# KiCad board ISA_CGA.kicad_pcb
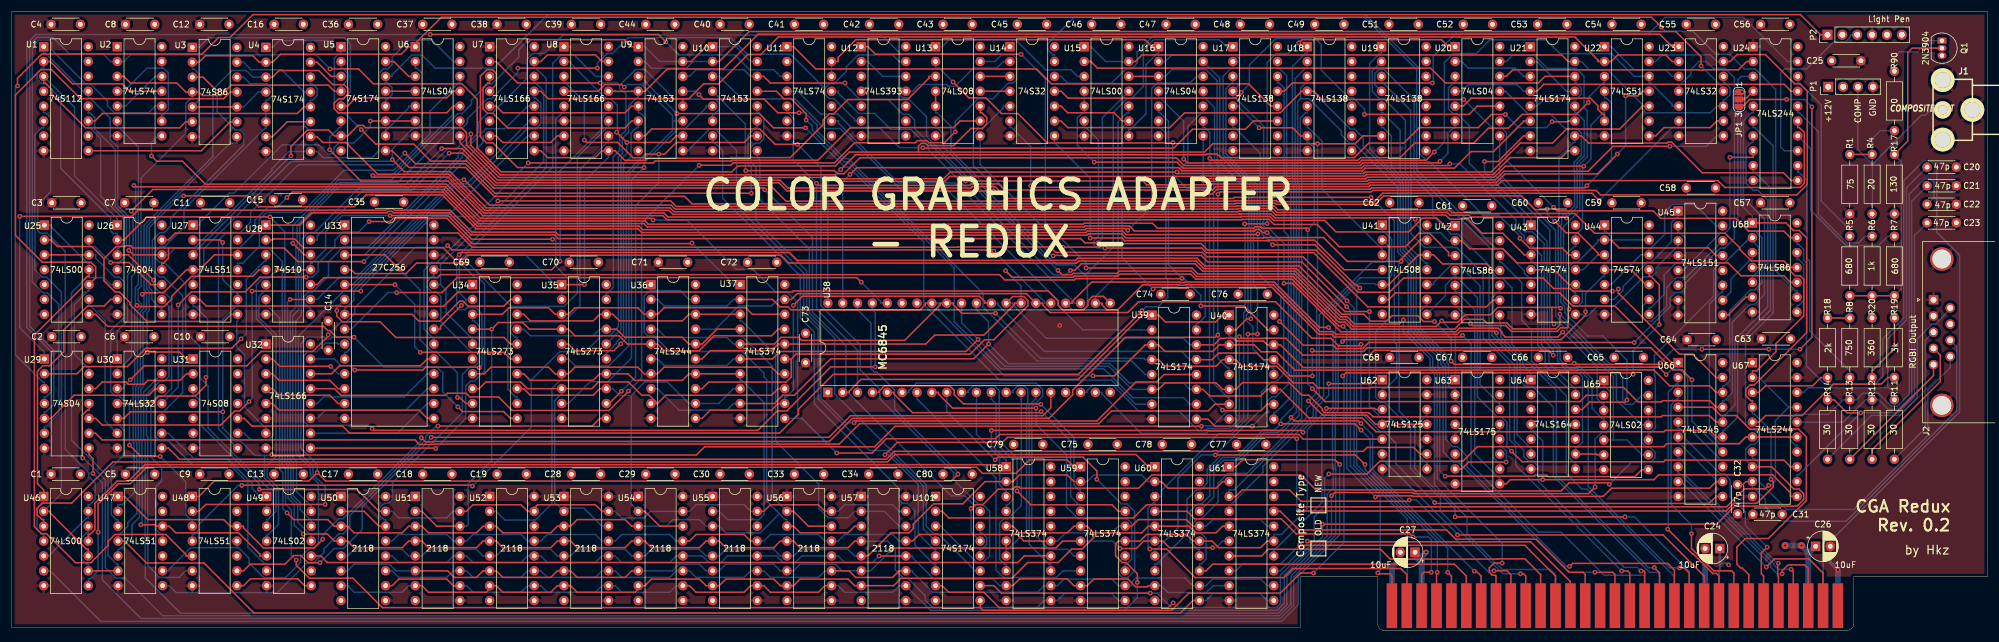
[diagram p0: board, top side]
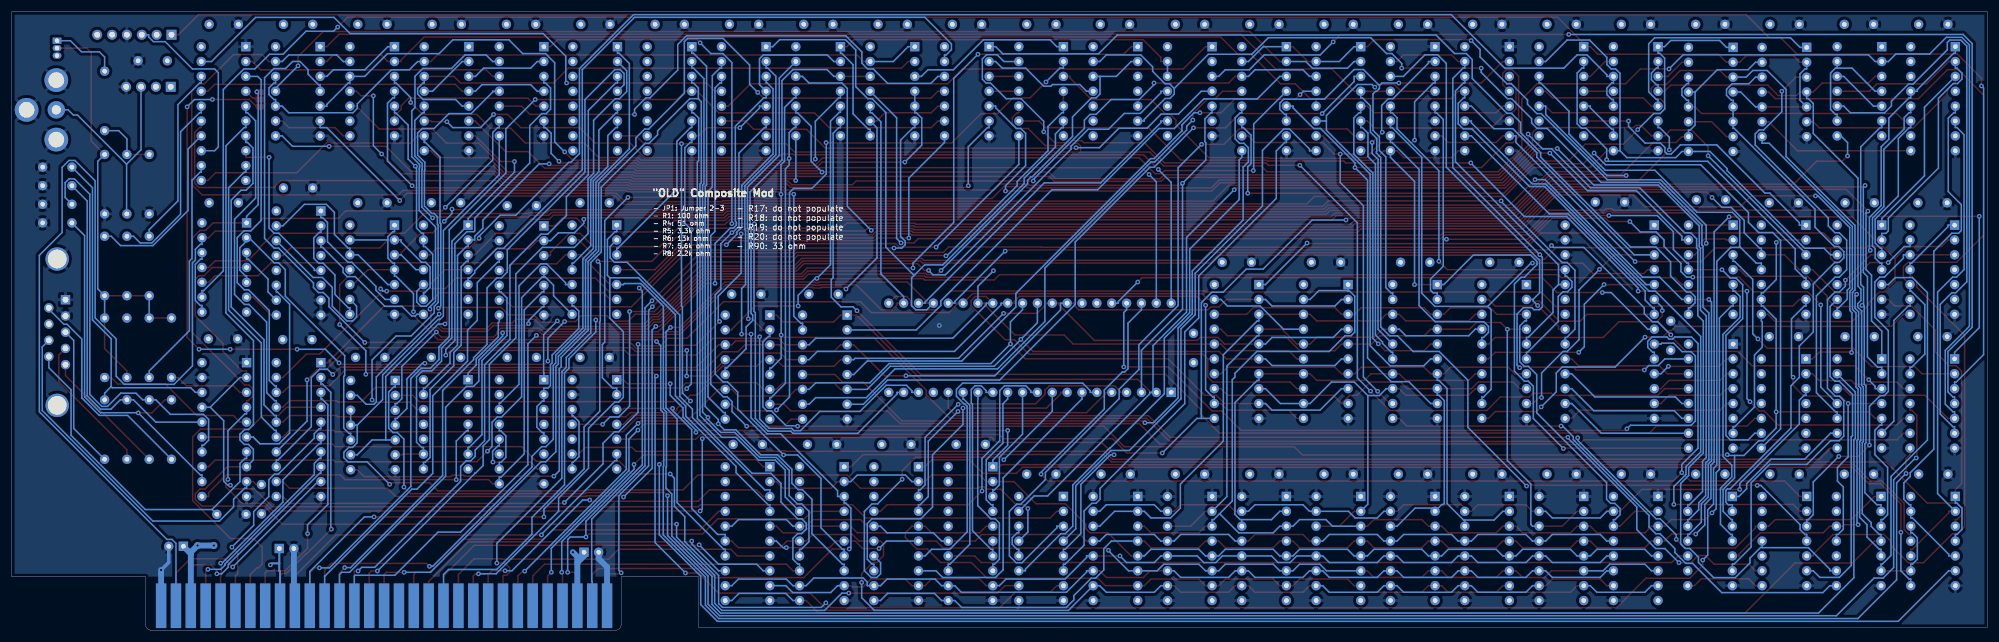
[diagram p1: board, bottom side, seen from below]

Outline 337.57 x 105.66 mm; copper layers: Top, In1.Cu (plane), In2.Cu (plane), Bottom. Coordinates in mm from the lower left corner of the outline.
Outline path: 0,105.66 337.57,105.66 337.57,9.14 314.71,9.14 314.71,1.02 arc(314.41,0.3) 313.69,0 234.44,0 arc(233.72,0.3) 233.43,1.02 233.43,9.14 220.22,9.14 220.22,0.51 0,0.51 0,105.66

## Placement (name value [footprint] x y rotation side)
C1  100nF  [C_Disc_D4.3mm_W1.9mm_P5.00mm]  6.73 26.67 0 top
C2  100nF  [C_Disc_D4.3mm_W1.9mm_P5.00mm]  6.86 50.16 0 top
C3  100nF  [C_Disc_D4.3mm_W1.9mm_P5.00mm]  6.86 73.02 0 top
C4  100nF  [C_Disc_D4.3mm_W1.9mm_P5.00mm]  6.73 103.5 0 top
C5  100nF  [C_Disc_D4.3mm_W1.9mm_P5.00mm]  19.43 26.67 0 top
C6  100nF  [C_Disc_D4.3mm_W1.9mm_P5.00mm]  19.3 50.16 0 top
C7  100nF  [C_Disc_D4.3mm_W1.9mm_P5.00mm]  19.3 73.02 0 top
C8  100nF  [C_Disc_D4.3mm_W1.9mm_P5.00mm]  19.43 103.5 0 top
C9  100nF  [C_Disc_D4.3mm_W1.9mm_P5.00mm]  32.13 26.67 0 top
C10  100nF  [C_Disc_D4.3mm_W1.9mm_P5.00mm]  32.26 50.16 0 top
C11  100nF  [C_Disc_D4.3mm_W1.9mm_P5.00mm]  32.26 73.02 0 top
C12  100nF  [C_Disc_D4.3mm_W1.9mm_P5.00mm]  32.13 103.5 0 top
C13  100nF  [C_Disc_D4.3mm_W1.9mm_P5.00mm]  44.83 26.67 0 top
C14  100nF  [C_Disc_D4.3mm_W1.9mm_P5.00mm]  54.1 52.83 270 top
C15  100nF  [C_Disc_D4.3mm_W1.9mm_P5.00mm]  44.7 73.53 0 top
C16  100nF  [C_Disc_D4.3mm_W1.9mm_P5.00mm]  44.83 103.5 0 top
C17  100nF  [C_Disc_D4.3mm_W1.9mm_P5.00mm]  57.53 26.67 0 top
C18  100nF  [C_Disc_D4.3mm_W1.9mm_P5.00mm]  70.23 26.67 0 top
C19  100nF  [C_Disc_D4.3mm_W1.9mm_P5.00mm]  82.93 26.67 0 top
C20  47p  [C_Disc_D4.3mm_W1.9mm_P5.00mm]  327.28 79.12 0 top
C21  47p  [C_Disc_D4.3mm_W1.9mm_P5.00mm]  327.28 75.95 0 top
C22  47p  [C_Disc_D4.3mm_W1.9mm_P5.00mm]  327.28 72.77 0 top
C23  47p  [C_Disc_D4.3mm_W1.9mm_P5.00mm]  327.28 69.6 0 top
C24  10uF  [CP_Radial_D5.0mm_P2.50mm]  291.85 13.97 180 top
C25  100nF  [C_Disc_D4.3mm_W1.9mm_P5.00mm]  315.98 97.28 180 top
C26  10uF  [CP_Radial_D5.0mm_P2.50mm]  308.23 14.35 0 top
C27  10uF  [CP_Radial_D5.0mm_P2.50mm]  239.78 13.34 180 top
C28  100nF  [C_Disc_D4.3mm_W1.9mm_P5.00mm]  95.63 26.67 0 top
C29  100nF  [C_Disc_D4.3mm_W1.9mm_P5.00mm]  108.33 26.67 0 top
C30  100nF  [C_Disc_D4.3mm_W1.9mm_P5.00mm]  121.03 26.67 0 top
C31  47p  [C_Disc_D4.3mm_W1.9mm_P5.00mm]  302.51 19.81 180 top
C32  47p  [C_Disc_D4.3mm_W1.9mm_P5.00mm]  294.89 24.89 270 top
C33  100nF  [C_Disc_D4.3mm_W1.9mm_P5.00mm]  133.73 26.67 0 top
C34  100nF  [C_Disc_D4.3mm_W1.9mm_P5.00mm]  146.43 26.67 0 top
C35  100nF  [C_Disc_D4.3mm_W1.9mm_P5.00mm]  61.98 73.15 0 top
C36  100nF  [C_Disc_D4.3mm_W1.9mm_P5.00mm]  57.53 103.5 0 top
C37  100nF  [C_Disc_D4.3mm_W1.9mm_P5.00mm]  70.23 103.5 0 top
C38  100nF  [C_Disc_D4.3mm_W1.9mm_P5.00mm]  82.93 103.5 0 top
C39  100nF  [C_Disc_D4.3mm_W1.9mm_P5.00mm]  95.63 103.5 0 top
C40  100nF  [C_Disc_D4.3mm_W1.9mm_P5.00mm]  121.03 103.5 0 top
C41  100nF  [C_Disc_D4.3mm_W1.9mm_P5.00mm]  133.73 103.5 0 top
C42  100nF  [C_Disc_D4.3mm_W1.9mm_P5.00mm]  146.56 103.5 0 top
C43  100nF  [C_Disc_D4.3mm_W1.9mm_P5.00mm]  159.13 103.5 0 top
C44  100nF  [C_Disc_D4.3mm_W1.9mm_P5.00mm]  108.33 103.5 0 top
C45  100nF  [C_Disc_D4.3mm_W1.9mm_P5.00mm]  171.83 103.5 0 top
C46  100nF  [C_Disc_D4.3mm_W1.9mm_P5.00mm]  184.53 103.5 0 top
C47  100nF  [C_Disc_D4.3mm_W1.9mm_P5.00mm]  197.23 103.5 0 top
C48  100nF  [C_Disc_D4.3mm_W1.9mm_P5.00mm]  209.93 103.5 0 top
C49  100nF  [C_Disc_D4.3mm_W1.9mm_P5.00mm]  222.63 103.5 0 top
C51  100nF  [C_Disc_D4.3mm_W1.9mm_P5.00mm]  235.33 103.5 0 top
C52  100nF  [C_Disc_D4.3mm_W1.9mm_P5.00mm]  248.03 103.5 0 top
C53  100nF  [C_Disc_D4.3mm_W1.9mm_P5.00mm]  260.73 103.5 0 top
C54  100nF  [C_Disc_D4.3mm_W1.9mm_P5.00mm]  273.43 103.5 0 top
C55  100nF  [C_Disc_D4.3mm_W1.9mm_P5.00mm]  286.13 103.5 0 top
C56  100nF  [C_Disc_D4.3mm_W1.9mm_P5.00mm]  298.83 103.5 0 top
C57  100nF  [C_Disc_D4.3mm_W1.9mm_P5.00mm]  298.83 73.02 0 top
C58  100nF  [C_Disc_D4.3mm_W1.9mm_P5.00mm]  286.13 75.56 0 top
C59  100nF  [C_Disc_D4.3mm_W1.9mm_P5.00mm]  273.43 73.02 0 top
C60  100nF  [C_Disc_D4.3mm_W1.9mm_P5.00mm]  260.86 73.02 0 top
C61  100nF  [C_Disc_D4.3mm_W1.9mm_P5.00mm]  247.9 72.52 0 top
C62  100nF  [C_Disc_D4.3mm_W1.9mm_P5.00mm]  235.46 73.02 0 top
C63  100nF  [C_Disc_D4.3mm_W1.9mm_P5.00mm]  298.96 49.78 0 top
C64  100nF  [C_Disc_D4.3mm_W1.9mm_P5.00mm]  286.26 49.66 0 top
C65  100nF  [C_Disc_D4.3mm_W1.9mm_P5.00mm]  273.81 46.61 0 top
C66  100nF  [C_Disc_D4.3mm_W1.9mm_P5.00mm]  260.86 46.61 0 top
C67  100nF  [C_Disc_D4.3mm_W1.9mm_P5.00mm]  247.9 46.61 0 top
C68  100nF  [C_Disc_D4.3mm_W1.9mm_P5.00mm]  235.46 46.61 0 top
C69  100nF  [C_Disc_D4.3mm_W1.9mm_P5.00mm]  80.01 62.86 0 top
C70  100nF  [C_Disc_D4.3mm_W1.9mm_P5.00mm]  95.25 62.86 0 top
C71  100nF  [C_Disc_D4.3mm_W1.9mm_P5.00mm]  110.49 62.86 0 top
C72  100nF  [C_Disc_D4.3mm_W1.9mm_P5.00mm]  125.73 62.86 0 top
C73  100nF  [C_Disc_D4.3mm_W1.9mm_P5.00mm]  135.64 45.72 90 top
C74  100nF  [C_Disc_D4.3mm_W1.9mm_P5.00mm]  196.34 57.4 0 top
C75  100nF  [C_Disc_D4.3mm_W1.9mm_P5.00mm]  183.9 31.75 0 top
C76  100nF  [C_Disc_D4.3mm_W1.9mm_P5.00mm]  209.55 57.4 0 top
C77  100nF  [C_Disc_D4.3mm_W1.9mm_P5.00mm]  209.3 31.75 0 top
C78  100nF  [C_Disc_D4.3mm_W1.9mm_P5.00mm]  196.6 31.75 0 top
C79  100nF  [C_Disc_D4.3mm_W1.9mm_P5.00mm]  171.2 31.75 0 top
C80  100nF  [C_Disc_D4.3mm_W1.9mm_P5.00mm]  159.13 26.67 0 top
J1  COMPOSITE OUT  [Conn_RCA_Right]  335.03 88.9 180 top
J2  RGBI Output  [DSUB-9_Female_Horizontal_P2.77x2.84mm_EdgePinOffset7.70mm_Housed_MountingHolesOffset9.12mm]  328.38 56.46 90 top
JP1  Comp Mod  [SolderJumper-3_P1.3mm_Open_RoundedPad1.0x1.5mm_NumberLabels]  295.15 90.68 270 top
P1  1X4 BERG  [PinHeader_1x04_P2.54mm_Vertical]  310.39 92.84 90 top
P2  1X6 BERG  [PinHeader_1x06_P2.54mm_Vertical]  310.26 101.73 90 top
P5  Bus_ISA_8bit  [Conn_Edge_PCB_ISA8]  273.94 4.19 0 top
Q1  2N3904  [TO-92_Inline]  329.82 100.71 270 top
R1  75  [R_Axial_DIN0207_L6.3mm_D2.5mm_P10.16mm_Horizontal]  314.07 71.12 90 top
R4  20  [R_Axial_DIN0207_L6.3mm_D2.5mm_P10.16mm_Horizontal]  317.88 71.12 90 top
R5  680  [R_Axial_DIN0207_L6.3mm_D2.5mm_P10.16mm_Horizontal]  314.07 57.15 90 top
R6  1k  [R_Axial_DIN0207_L6.3mm_D2.5mm_P10.16mm_Horizontal]  317.88 57.15 90 top
R7  680  [R_Axial_DIN0207_L6.3mm_D2.5mm_P10.16mm_Horizontal]  321.69 57.15 90 top
R8  750  [R_Axial_DIN0207_L6.3mm_D2.5mm_P10.16mm_Horizontal]  314.07 53.34 270 top
R11  30  [R_Axial_DIN0207_L6.3mm_D2.5mm_P10.16mm_Horizontal]  321.69 29.21 90 top
R12  30  [R_Axial_DIN0207_L6.3mm_D2.5mm_P10.16mm_Horizontal]  317.88 29.21 90 top
R13  30  [R_Axial_DIN0207_L6.3mm_D2.5mm_P10.16mm_Horizontal]  314.07 29.21 90 top
R14  30  [R_Axial_DIN0207_L6.3mm_D2.5mm_P10.16mm_Horizontal]  310.26 29.21 90 top
R17  130  [R_Axial_DIN0207_L6.3mm_D2.5mm_P10.16mm_Horizontal]  321.69 81.28 270 top
R18  2k  [R_Axial_DIN0207_L6.3mm_D2.5mm_P10.16mm_Horizontal]  310.26 53.34 270 top
R19  3k  [R_Axial_DIN0207_L6.3mm_D2.5mm_P10.16mm_Horizontal]  321.69 53.34 270 top
R20  360  [R_Axial_DIN0207_L6.3mm_D2.5mm_P10.16mm_Horizontal]  317.88 53.34 270 top
R90  0  [R_Axial_DIN0207_L6.3mm_D2.5mm_P10.16mm_Horizontal]  321.69 85.34 90 top
U1  74S112  [DIP-16_W7.62mm]  5.46 99.69 0 top
U2  74LS74  [DIP-14_W7.62mm]  18.03 99.69 0 top
U3  74S86  [DIP-14_W7.62mm]  30.86 99.57 0 top
U4  74S174  [DIP-16_W7.62mm]  43.43 99.57 0 top
U5  74S174  [DIP-16_W7.62mm]  56.26 99.69 0 top
U6  74LS04  [DIP-14_W7.62mm]  68.96 99.69 0 top
U7  74LS166  [DIP-16_W7.62mm]  81.66 99.69 0 top
U8  74LS166  [DIP-16_W7.62mm]  94.36 99.69 0 top
U9  74153  [DIP-16_W7.62mm]  107.06 99.69 0 top
U10  74153  [DIP-16_W7.62mm]  119.76 99.69 0 top
U11  74LS74  [DIP-14_W7.62mm]  132.46 99.69 0 top
U12  74LS393  [DIP-14_W7.62mm]  145.16 99.69 0 top
U13  74LS08  [DIP-14_W7.62mm]  157.86 99.69 0 top
U14  74S32  [DIP-14_W7.62mm]  170.56 99.69 0 top
U15  74LS00  [DIP-14_W7.62mm]  183.26 99.69 0 top
U16  74LS04  [DIP-14_W7.62mm]  195.96 99.69 0 top
U17  74LS138  [DIP-16_W7.62mm]  208.66 99.69 0 top
U18  74LS138  [DIP-16_W7.62mm]  221.36 99.69 0 top
U19  74LS138  [DIP-16_W7.62mm]  234.06 99.69 0 top
U20  74LS04  [DIP-14_W7.62mm]  246.63 99.69 0 top
U21  74LS174  [DIP-16_W7.62mm]  259.46 99.69 0 top
U22  74LS51  [DIP-14_W7.62mm]  272.16 99.69 0 top
U23  74LS32  [DIP-14_W7.62mm]  284.86 99.69 0 top
U24  74LS244  [DIP-20_W7.62mm]  297.56 99.69 0 top
U25  74LS00  [DIP-14_W7.62mm]  5.59 69.21 0 top
U26  74S04  [DIP-14_W7.62mm]  18.03 69.21 0 top
U27  74LS51  [DIP-14_W7.62mm]  30.99 69.21 0 top
U28  74S10  [DIP-14_W7.62mm]  43.43 69.21 0 top
U29  74S04  [DIP-14_W7.62mm]  5.59 46.35 0 top
U30  74LS32  [DIP-14_W7.62mm]  18.03 46.35 0 top
U31  74S08  [DIP-14_W7.62mm]  30.99 46.35 0 top
U32  74LS166  [DIP-16_W7.62mm]  43.43 48.89 0 top
U33  27C256  [DIP-28_W15.24mm]  56.9 69.21 0 top
U34  74LS273  [DIP-20_W7.62mm]  78.74 59.05 0 top
U35  74LS273  [DIP-20_W7.62mm]  93.98 59.05 0 top
U36  74LS244  [DIP-20_W7.62mm]  109.22 59.05 0 top
U37  74LS374  [DIP-20_W7.62mm]  124.46 59.05 0 top
U38  MC6845  [DIP-40_W15.24mm]  139.45 40.64 90 top
U39  74LS174  [DIP-16_W7.62mm]  194.82 53.85 0 top
U40  74LS174  [DIP-16_W7.62mm]  208.03 53.85 0 top
U41  74LS08  [DIP-14_W7.62mm]  234.19 69.21 0 top
U42  74LS86  [DIP-14_W7.62mm]  246.63 69.09 0 top
U43  74S74  [DIP-14_W7.62mm]  259.59 69.21 0 top
U44  74S74  [DIP-14_W7.62mm]  272.16 69.21 0 top
U45  74LS151  [DIP-16_W7.62mm]  284.73 71.63 0 top
U46  74LS00  [DIP-14_W7.62mm]  5.46 22.86 0 top
U47  74LS51  [DIP-14_W7.62mm]  18.16 22.86 0 top
U48  74LS51  [DIP-14_W7.62mm]  30.86 22.86 0 top
U49  74LS02  [DIP-14_W7.62mm]  43.56 22.86 0 top
U50  2118  [DIP-16_W7.62mm]  56.26 22.86 0 top
U51  2118  [DIP-16_W7.62mm]  68.96 22.86 0 top
U52  2118  [DIP-16_W7.62mm]  81.66 22.86 0 top
U53  2118  [DIP-16_W7.62mm]  94.36 22.86 0 top
U54  2118  [DIP-16_W7.62mm]  107.06 22.86 0 top
U55  2118  [DIP-16_W7.62mm]  119.76 22.86 0 top
U56  2118  [DIP-16_W7.62mm]  132.46 22.86 0 top
U57  2118  [DIP-16_W7.62mm]  145.16 22.86 0 top
U58  74LS374  [DIP-20_W7.62mm]  169.93 27.94 0 top
U59  74LS374  [DIP-20_W7.62mm]  182.63 27.94 0 top
U60  74LS374  [DIP-20_W7.62mm]  195.33 27.94 0 top
U61  74LS374  [DIP-20_W7.62mm]  208.03 27.94 0 top
U62  74LS125  [DIP-14_W7.62mm]  234.19 42.8 0 top
U63  74LS175  [DIP-16_W7.62mm]  246.63 42.8 0 top
U64  74LS164  [DIP-14_W7.62mm]  259.59 42.8 0 top
U65  74LS02  [DIP-14_W7.62mm]  272.03 42.67 0 top
U66  74LS245  [DIP-20_W7.62mm]  284.73 45.72 0 top
U67  74LS244  [DIP-20_W7.62mm]  297.43 45.72 0 top
U68  74LS86  [DIP-14_W7.62mm]  297.43 69.6 0 top
U101  74S174  [DIP-16_W7.62mm]  157.86 22.86 0 top

## Footprints (pads in the part's own frame, mm; a bottom-side part is the same pattern mirrored in y, then rotated)
C_Disc_D4.3mm_W1.9mm_P5.00mm
  round 1.6 hole 0.8: 1(0,0) 2(5,0)
Conn_Edge_PCB_ISA8
  rect 1.778x7.62 smd far side: 1(38.1,0) 2(35.56,0) 3(33.02,0) 4(30.48,0) 5(27.94,0) 6(25.4,0) 7(22.86,0) 8(20.32,0) 9(17.78,0) 10(15.24,0) 11(12.7,0) 12(10.16,0) 13(7.62,0) 14(5.08,0) 15(2.54,0) 16(0,0) 17(-2.54,0) 18(-5.08,0) 19(-7.62,0) 20(-10.16,0) 21(-12.7,0) 22(-15.24,0) 23(-17.78,0) 24(-20.32,0) 25(-22.86,0) 26(-25.4,0) 27(-27.94,0) 28(-30.48,0) 29(-33.02,0) 30(-35.56,0) 31(-38.1,0)
  rect 1.778x7.62 smd: 32(38.1,0) 33(35.56,0) 34(33.02,0) 35(30.48,0) 36(27.94,0) 37(25.4,0) 38(22.86,0) 39(20.32,0) 40(17.78,0) 41(15.24,0) 42(12.7,0) 43(10.16,0) 44(7.62,0) 45(5.08,0) 46(2.54,0) 47(0,0) 48(-2.54,0) 49(-5.08,0) 50(-7.62,0) 51(-10.16,0) 52(-12.7,0) 53(-15.24,0) 54(-17.78,0) 55(-20.32,0) 56(-22.86,0) 57(-25.4,0) 58(-27.94,0) 59(-30.48,0) 60(-33.02,0) 61(-35.56,0) 62(-38.1,0)
Conn_RCA_Right
  round 2.972 hole 1.575: 1(5.08,0)
  round 4.064 hole 2.667: 2(0,0) 2(5.08,5.08) 2(5.08,-5.08)
CP_Radial_D5.0mm_P2.50mm
  rect 1.6x1.6 hole 0.8: 1(0,0)
  round 1.6 hole 0.8: 2(2.5,0)
DIP-14_W7.62mm
  rect 1.6x1.6 hole 0.8: 1(0,0)
  oval 1.6x1.6 hole 0.8: 2(0,-2.54) 3(0,-5.08) 4(0,-7.62) 5(0,-10.16) 6(0,-12.7) 7(0,-15.24) 8(7.62,-15.24) 9(7.62,-12.7) 10(7.62,-10.16) 11(7.62,-7.62) 12(7.62,-5.08) 13(7.62,-2.54) 14(7.62,0)
DIP-16_W7.62mm
  rect 1.6x1.6 hole 0.8: 1(0,0)
  oval 1.6x1.6 hole 0.8: 2(0,-2.54) 3(0,-5.08) 4(0,-7.62) 5(0,-10.16) 6(0,-12.7) 7(0,-15.24) 8(0,-17.78) 9(7.62,-17.78) 10(7.62,-15.24) 11(7.62,-12.7) 12(7.62,-10.16) 13(7.62,-7.62) 14(7.62,-5.08) 15(7.62,-2.54) 16(7.62,0)
DIP-20_W7.62mm
  rect 1.6x1.6 hole 0.8: 1(0,0)
  oval 1.6x1.6 hole 0.8: 2(0,-2.54) 3(0,-5.08) 4(0,-7.62) 5(0,-10.16) 6(0,-12.7) 7(0,-15.24) 8(0,-17.78) 9(0,-20.32) 10(0,-22.86) 11(7.62,-22.86) 12(7.62,-20.32) 13(7.62,-17.78) 14(7.62,-15.24) 15(7.62,-12.7) 16(7.62,-10.16) 17(7.62,-7.62) 18(7.62,-5.08) 19(7.62,-2.54) 20(7.62,0)
DIP-28_W15.24mm
  rect 1.6x1.6 hole 0.8: 1(0,0)
  oval 1.6x1.6 hole 0.8: 2(0,-2.54) 3(0,-5.08) 4(0,-7.62) 5(0,-10.16) 6(0,-12.7) 7(0,-15.24) 8(0,-17.78) 9(0,-20.32) 10(0,-22.86) 11(0,-25.4) 12(0,-27.94) 13(0,-30.48) 14(0,-33.02) 15(15.24,-33.02) 16(15.24,-30.48) 17(15.24,-27.94) 18(15.24,-25.4) 19(15.24,-22.86) 20(15.24,-20.32) 21(15.24,-17.78) 22(15.24,-15.24) 23(15.24,-12.7) 24(15.24,-10.16) 25(15.24,-7.62) 26(15.24,-5.08) 27(15.24,-2.54) 28(15.24,0)
DIP-40_W15.24mm
  rect 1.6x1.6 hole 0.8: 1(0,0)
  oval 1.6x1.6 hole 0.8: 2(0,-2.54) 3(0,-5.08) 4(0,-7.62) 5(0,-10.16) 6(0,-12.7) 7(0,-15.24) 8(0,-17.78) 9(0,-20.32) 10(0,-22.86) 11(0,-25.4) 12(0,-27.94) 13(0,-30.48) 14(0,-33.02) 15(0,-35.56) 16(0,-38.1) 17(0,-40.64) 18(0,-43.18) 19(0,-45.72) 20(0,-48.26) 21(15.24,-48.26) 22(15.24,-45.72) 23(15.24,-43.18) 24(15.24,-40.64) 25(15.24,-38.1) 26(15.24,-35.56) 27(15.24,-33.02) 28(15.24,-30.48) 29(15.24,-27.94) 30(15.24,-25.4) 31(15.24,-22.86) 32(15.24,-20.32) 33(15.24,-17.78) 34(15.24,-15.24) 35(15.24,-12.7) 36(15.24,-10.16) 37(15.24,-7.62) 38(15.24,-5.08) 39(15.24,-2.54) 40(15.24,0)
DSUB-9_Female_Horizontal_P2.77x2.84mm_EdgePinOffset7.70mm_Housed_MountingHolesOffset9.12mm
  round 4 hole 3.2: 0(-18.04,-1.42) 0(6.96,-1.42)
  rect 1.6x1.6 hole 1: 1(0,0)
  round 1.6 hole 1: 2(-2.77,0) 3(-5.54,0) 4(-8.31,0) 5(-11.08,0) 6(-1.385,-2.84) 7(-4.155,-2.84) 8(-6.925,-2.84) 9(-9.695,-2.84)
PinHeader_1x04_P2.54mm_Vertical
  rect 1.7x1.7 hole 1: 1(0,0)
  oval 1.7x1.7 hole 1: 2(0,-2.54) 3(0,-5.08) 4(0,-7.62)
PinHeader_1x06_P2.54mm_Vertical
  rect 1.7x1.7 hole 1: 1(0,0)
  oval 1.7x1.7 hole 1: 2(0,-2.54) 3(0,-5.08) 4(0,-7.62) 5(0,-10.16) 6(0,-12.7)
R_Axial_DIN0207_L6.3mm_D2.5mm_P10.16mm_Horizontal
  round 1.6 hole 0.8: 1(0,0)
  oval 1.6x1.6 hole 0.8: 2(10.16,0)
SolderJumper-3_P1.3mm_Open_RoundedPad1.0x1.5mm_NumberLabels
  custom 1.05x1.5 smd: 1(-1.3,0) 3(1.3,0)
  rect 1x1.5 smd: 2(0,0)
TO-92_Inline
  rect 1.05x1.5 hole 0.75: 1(0,0)
  oval 1.05x1.5 hole 0.75: 2(1.27,0) 3(2.54,0)

## Nets
+12V: C24.1 C25.2 P1.1 P2.6 P5.9
GND: C1.1 C2.1 C3.1 C4.1 C5.1 C6.1 C7.1 C8.1 C9.1 C10.1 C11.1 C12.1 C13.1 C14.1 C15.1 C16.1 C17.1 C18.1 C19.1 C20.2 C21.2 C22.2 C23.2 C24.2 C25.1 C26.2 C27.2 C28.1 C29.1 C30.1 C31.2 C32.2 C33.1 C34.1 C35.1 C36.1 C37.1 C38.1 C39.1 C40.1 C41.1 C42.1 C43.1 C44.1 C45.1 C46.1 C47.1 C48.1 C49.1 C51.1 C52.1 C53.1 C54.1 C55.1 C56.1 C57.1 C58.1 C59.1 C60.1 C61.1 C62.1 C63.1 C64.1 C65.1 C66.1 C67.1 C68.1 C69.1 C70.1 C71.1 C72.1 C73.1 C74.1 C75.1 C76.1 C77.1 C78.1 C79.1 C80.1 J1.2 J2.0 J2.1 J2.2 P1.4 P2.4 P5.1 P5.10 P5.31 R1.1 R17.2 U1.8 U2.7 U3.7 U4.8 U5.8 U6.7 U7.1 U7.6 U7.8 U8.1 U8.6 U8.8 U9.8 U10.8 U11.7 U12.7 U13.7 U14.7 U15.7 U16.7 U17.8 U18.8 U19.8 U20.7 U21.8 U22.7 U23.7 U24.1 U24.10 U25.7 U26.7 U27.7 U28.7 U29.7 U30.7 U31.7 U32.1 U32.6 U32.8 U33.14 U33.22 U33.26 U33.27 U34.10 U35.10 U36.10 U37.10 U38.1 U39.8 U40.8 U41.7 U42.7 U42.13 U43.7 U44.7 U45.4 U45.7 U45.8 U46.7 U47.7 U48.7 U49.7 U50.1 U50.9 U50.16 U51.1 U51.9 U51.16 U52.1 U52.9 U52.16 U53.1 U53.9 U53.16 U54.1 U54.9 U54.16 U55.1 U55.9 U55.16 U56.1 U56.9 U56.16 U57.1 U57.9 U57.16 U58.10 U59.10 U60.10 U61.10 U62.7 U62.10 U62.13 U63.8 U64.7 U65.7 U66.10 U67.1 U67.10 U67.19 U68.7 U101.8
VCC: C1.2 C2.2 C3.2 C4.2 C5.2 C6.2 C7.2 C8.2 C9.2 C10.2 C11.2 C12.2 C13.2 C14.2 C15.2 C16.2 C17.2 C18.2 C19.2 C26.1 C27.1 C28.2 C29.2 C30.2 C33.2 C34.2 C35.2 C36.2 C37.2 C38.2 C39.2 C40.2 C41.2 C42.2 C43.2 C44.2 C45.2 C46.2 C47.2 C48.2 C49.2 C51.2 C52.2 C53.2 C54.2 C55.2 C56.2 C57.2 C58.2 C59.2 C60.2 C61.2 C62.2 C63.2 C64.2 C65.2 C66.2 C67.2 C68.2 C69.2 C70.2 C71.2 C72.2 C73.2 C74.2 C75.2 C76.2 C77.2 C78.2 C79.2 C80.2 P2.5 P5.3 P5.29 Q1.3 R20.1 U1.4 U1.10 U1.14 U1.15 U1.16 U2.1 U2.14 U3.14 U4.16 U5.16 U6.14 U7.16 U8.16 U9.16 U10.16 U11.2 U11.10 U11.14 U12.14 U13.14 U14.14 U15.14 U16.14 U17.16 U18.16 U19.16 U20.14 U21.1 U21.16 U22.9 U22.14 U23.14 U24.20 U25.14 U26.14 U27.10 U27.13 U27.14 U28.14 U29.14 U30.14 U31.14 U32.16 U33.1 U33.2 U33.23 U33.28 U34.1 U34.20 U35.20 U36.20 U37.20 U38.20 U39.16 U40.16 U41.14 U42.14 U43.14 U44.14 U45.12 U45.16 U46.14 U47.10 U47.13 U47.14 U48.10 U48.13 U48.14 U49.14 U50.8 U51.8 U52.8 U53.8 U54.8 U55.8 U56.8 U57.8 U58.20 U59.20 U60.20 U61.20 U62.14 U63.4 U63.16 U64.2 U64.14 U65.14 U66.20 U67.20 U68.14 U101.1 U101.16
3.58_MHZ: U5.12 U5.14 U43.12
14_MHZ: U1.1 U1.13 U4.9 U5.9 U6.13 U26.12 U43.11 U44.3
/CGA 1/6/RAM-A0: U50.5 U51.5 U52.5 U53.5 U54.5 U55.5 U56.5 U57.5 U58.2 U59.2 U60.2 U61.2
/CGA 1/6/RAM-A1: U50.7 U51.7 U52.7 U53.7 U54.7 U55.7 U56.7 U57.7 U58.5 U59.5 U60.5 U61.5
/CGA 1/6/RAM-A2: U50.6 U51.6 U52.6 U53.6 U54.6 U55.6 U56.6 U57.6 U58.6 U59.6 U60.6 U61.6
/CGA 1/6/RAM-A3: U50.12 U51.12 U52.12 U53.12 U54.12 U55.12 U56.12 U57.12 U58.9 U59.9 U60.9 U61.9
/CGA 1/6/RAM-A4: U50.11 U51.11 U52.11 U53.11 U54.11 U55.11 U56.11 U57.11 U58.12 U59.12 U60.12 U61.12
/CGA 1/6/RAM-A5: U50.10 U51.10 U52.10 U53.10 U54.10 U55.10 U56.10 U57.10 U59.15 U60.15 U61.15 U62.3
/CGA 1/6/RAM-A6: U50.13 U51.13 U52.13 U53.13 U54.13 U55.13 U56.13 U57.13 U58.15 U59.16 U60.16 U61.16
/CGA 2/6/AT0: U7.2 U10.6 U35.19
/CGA 2/6/AT1: U8.2 U9.10 U35.16
/CGA 2/6/AT2: U7.3 U9.6 U35.15
/CGA 2/6/AT3: U8.3 U10.10 U35.12
/CGA 2/6/AT4: U7.4 U10.5 U35.9
/CGA 2/6/AT5: U8.4 U9.11 U35.6
/CGA 2/6/AT6: U7.5 U9.5 U35.5
/CGA 2/6/CC0: U7.10 U33.7 U34.19
/CGA 2/6/CC1: U8.10 U33.6 U34.16
/CGA 2/6/CC2: U7.11 U33.5 U34.15
/CGA 2/6/CC3: U8.11 U33.4 U34.12
/CGA 2/6/CC4: U7.12 U33.3 U34.9
/CGA 2/6/CC5: U8.12 U33.25 U34.6
/CGA 2/6/CC6: U7.14 U33.24 U34.5
/CGA 2/6/CC7: U8.14 U33.21 U34.2
/CGA 5/6/BLUE: U43.8 U45.3
/CGA 5/6/CYAN: U44.6 U45.1
/CGA 5/6/GREEN: U44.8 U45.2
/CGA 5/6/MAGENTA: U44.9 U45.14
/CGA 5/6/RED: U44.5 U44.12 U45.15
/CGA 5/6/YELLOW_BURST: U43.9 U44.2 U45.13
/CGA 6/6/DB0: P5.40 U66.2
/CGA 6/6/DB1: P5.39 U66.3
/CGA 6/6/DB2: P5.38 U66.4
/CGA 6/6/DB3: P5.37 U66.5
/CGA 6/6/DB4: P5.36 U66.6
/CGA 6/6/DB5: P5.35 U66.7
/CGA 6/6/DB6: P5.34 U66.8
/CGA 6/6/DB7: P5.33 U66.9
/CGA 6/6/OSC: P5.30 U26.13
/CGA 6/6/~{SMEMR}: P5.12 U42.12
A0: U13.6 U17.1 U38.24 U61.14
A1: P5.61 U17.2 U60.3
A2: P5.60 U17.3 U60.4
A3: P5.59 U17.6 U30.1 U60.7
A4: P5.58 U18.1 U60.8
A5: P5.57 U18.5 U60.13
A6: P5.56 U18.2 U60.14
A7: P5.55 U18.3 U60.17
A8: P5.54 U41.2 U61.3
A9: P5.53 U41.1 U61.4
A10: P5.52 U61.7
A11: P5.51 U61.8
A12: P5.50 U61.13
A13: P5.49 U61.17
A15: P5.47 U19.1
A16: P5.46 U19.2
A17: P5.45 U19.3
A18: P5.44 U19.4
A19: P5.43 U19.6
AEN: P5.42 U14.9 U18.4
ALPHA_DOTS: U14.6 U22.11
AT7: U8.5 U28.11 U31.9 U35.2
AT_LATCH: U35.11 U47.8
B: U45.11 U67.6 U67.15 U101.7
B_OUT: C22.1 R13.2 U67.14
BACKGROUND_I: U10.12 U39.12
C0: U7.13 U9.12 U22.2 U23.2 U48.2
C1: U8.13 U9.4 U23.1 U48.4
CAS_CC: U3.11 U25.10 U29.13
CC_LATCH: U25.8 U34.11
CHG_DOTS: U13.13 U32.13
COLOR_SEL: U22.4 U39.15
COMP_VID: J1.1 P1.3 R4.1
CURSOR: U20.1 U38.19
D0: U24.3 U36.2 U37.2 U38.33 U39.3 U40.3 U66.18
D1: U24.5 U36.4 U37.5 U38.32 U39.4 U40.4 U66.17
D2: U24.7 U36.6 U37.6 U38.31 U39.6 U40.6 U66.16
D3: U24.9 U36.8 U37.9 U38.30 U39.11 U40.11 U66.15
D4: U36.11 U37.12 U38.29 U39.13 U40.13 U66.14
D5: U36.13 U37.15 U38.28 U39.14 U40.14 U66.13
D6: U36.15 U37.16 U38.27 U66.12
D7: U36.17 U37.19 U38.26 U66.11
DATA_GATE: U13.8 U66.19
DISPEN: U20.3 U38.18
DOT_CLOCK: U7.7 U8.7 U25.2 U26.11 U27.8 U32.7
E: U11.9 U38.23
ENABLE_BLINK: U16.5 U28.10 U40.15
G: JP1.1 U67.4 U68.1 U101.5
G_OUT: C21.1 R12.2 U67.16
GRPH: U16.11 U22.13 U23.13 U40.5 U47.1 U48.12
HCLK: U5.7 U6.9 U21.9 U27.3
HRES: U16.13 U27.2 U27.9 U30.5 U40.2 U47.3 U49.3
HSYNC: U21.6 U38.39
HSYNC_DLY: U21.7 U43.1 U64.9 U65.6
HSYNC_OUT: C32.1 J2.8 U67.9
I: U24.6 U67.8 U101.10
I_OUT: C23.1 R14.2 U67.12
IO_CLOCK: P5.20 U11.11
IO_READY: P5.41 U62.6
LCLK: U6.2 U27.5 U43.3 U64.8
LPEN_STR: U11.5 U24.15 U38.3
MD0: U34.18 U35.18 U36.18 U37.3 U57.2 U57.14
MD1: U34.17 U35.17 U36.16 U37.4 U56.2 U56.14
MD2: U34.14 U35.14 U36.14 U37.7 U55.2 U55.14
MD3: U34.13 U35.13 U36.12 U37.8 U54.2 U54.14
MD4: U34.8 U35.8 U36.9 U37.13 U53.2 U53.14
MD5: U34.7 U35.7 U36.7 U37.14 U52.2 U52.14
MD6: U34.4 U35.4 U36.5 U37.17 U51.2 U51.14
MD7: U34.3 U35.3 U36.3 U37.18 U50.2 U50.14
MUX_A: U9.14 U10.14 U23.8
MUX_B: U9.2 U10.2 U23.11
OVERSCAN_B: U10.3 U39.2
OVERSCAN_G: U9.13 U39.5
OVERSCAN_I: U10.13 U39.10
OVERSCAN_R: U9.3 U39.7
Q1: U2.3 U3.4 U5.2 U5.4 U47.4 U60.11 U61.11
Q4: U3.13 U4.10 U4.13 U42.2 U68.10
Q5: U1.11 U4.12 U4.14 U26.3 U49.6
R: U67.2 U67.17 U68.4 U101.2
R_OUT: C20.1 R11.2 U67.18
RA0: U33.10 U38.38 U48.1
RA1: U33.9 U38.37
RA2: U33.8 U38.36
RAS: U1.3 U3.6 U26.1
RESET: P5.2 U20.9 U68.13
SEL_BLUE: U10.4 U20.6
SL: U7.15 U8.15 U32.15 U62.11
SL': U30.8 U62.9
STR: U9.1 U9.15 U10.1 U10.15 U28.12
VIDEO_ENABLE: U13.2 U40.10
VSYNC: U21.11 U38.40
VSYNC_DLY: U12.1 U21.10 U24.11 U63.1 U65.5 U65.9
VSYNC_OUT: C31.1 J2.9 U67.7
XACK: U2.8 U37.11 U62.5
~{7_MHZ}: U5.11 U6.6 U27.1
~{14_MHZ}: U6.12 U27.11 U44.11 U101.9
~{6845_CS}: U30.3 U38.25
~{BLANK}: JP1.3 U28.2 U65.4
~{BLINK}: U12.11 U14.2
~{BW_1}: U29.8 U44.1 U44.4 U44.10 U44.13
~{BW_2}: U16.8 U22.5 U43.4 U43.10 U43.13
~{CAS}: U31.3 U50.15 U51.15 U52.15 U53.15 U54.15 U55.15 U56.15 U57.15
~{CCLK}: U27.6 U30.4 U38.21 U47.11
~{CLR_SR}: U7.9 U8.9 U13.3 U32.9 U35.1
~{CPU_MEM_SEL}: U2.2 U13.10 U19.7 U29.5 U30.12 U62.4
~{CURSOR_BLINK}: U12.6 U12.13 U49.12
~{CURSOR_DLY}: U21.12 U28.9 U49.11
~{DISPEN_DLY}: U15.1 U15.13 U21.15 U23.10 U23.12
~{DISPEN}: U20.4 U21.4 U24.17
~{EN_CPU_CAS_ADDR}: U46.6 U61.1
~{EN_CPU_RAS_ADDR}: U46.3 U60.1
~{EN_CRT_CAS_ADDR}: U46.11 U58.1 U62.1
~{EN_CRT_RAS_ADDR}: U46.8 U59.1
~{ENABLE_BLINK}: U16.6 U31.10
~{GRPH}: U16.10 U22.10 U47.9 U48.11
~{HCLK}: U6.8 U62.2
~{HRES}: U16.12 U27.4 U27.12 U47.5
~{IOR}: P5.14 U14.10 U15.9
~{IOW}: P5.13 U15.10 U38.22
~{LCLK}: U3.2 U3.5 U3.10 U4.2 U4.4 U6.1 U68.9
~{LPEN_INPUT}: P2.1 U29.3
~{LPEN_SW}: P2.3 U24.13
~{MEMR}: U30.13 U41.5 U41.12 U42.11
~{MEMW}: P5.11 U29.1 U41.13
~{Q2'}: U4.3 U6.10 U42.1 U47.12 U49.5
~{RAS}: U1.2 U2.11 U26.2 U50.4 U51.4 U52.4 U53.4 U54.4 U55.4 U56.4 U57.4 U58.11 U59.11
~{RD_GATE}: U30.11 U37.1
~{RESET'}: U20.8 U65.11 U65.12 U101.13
~{RESET}: U4.1 U5.1 U38.2 U39.1 U40.1 U101.15
~{SEL_1}: U17.15 U40.9
~{SEL_2}: U17.14 U39.9
~{STATUS_SEL}: U17.13 U24.19
~{WE}: U28.6 U36.1 U36.19 U50.3 U51.3 U52.3 U53.3 U54.3 U55.3 U56.3 U57.3
Net-(J2-Pad3): J2.3 R11.1
Net-(J2-Pad4): J2.4 R12.1
Net-(J2-Pad5): J2.5 R13.1